# KiCad board Bestellung Rev.1.kicad_pcb (continued)
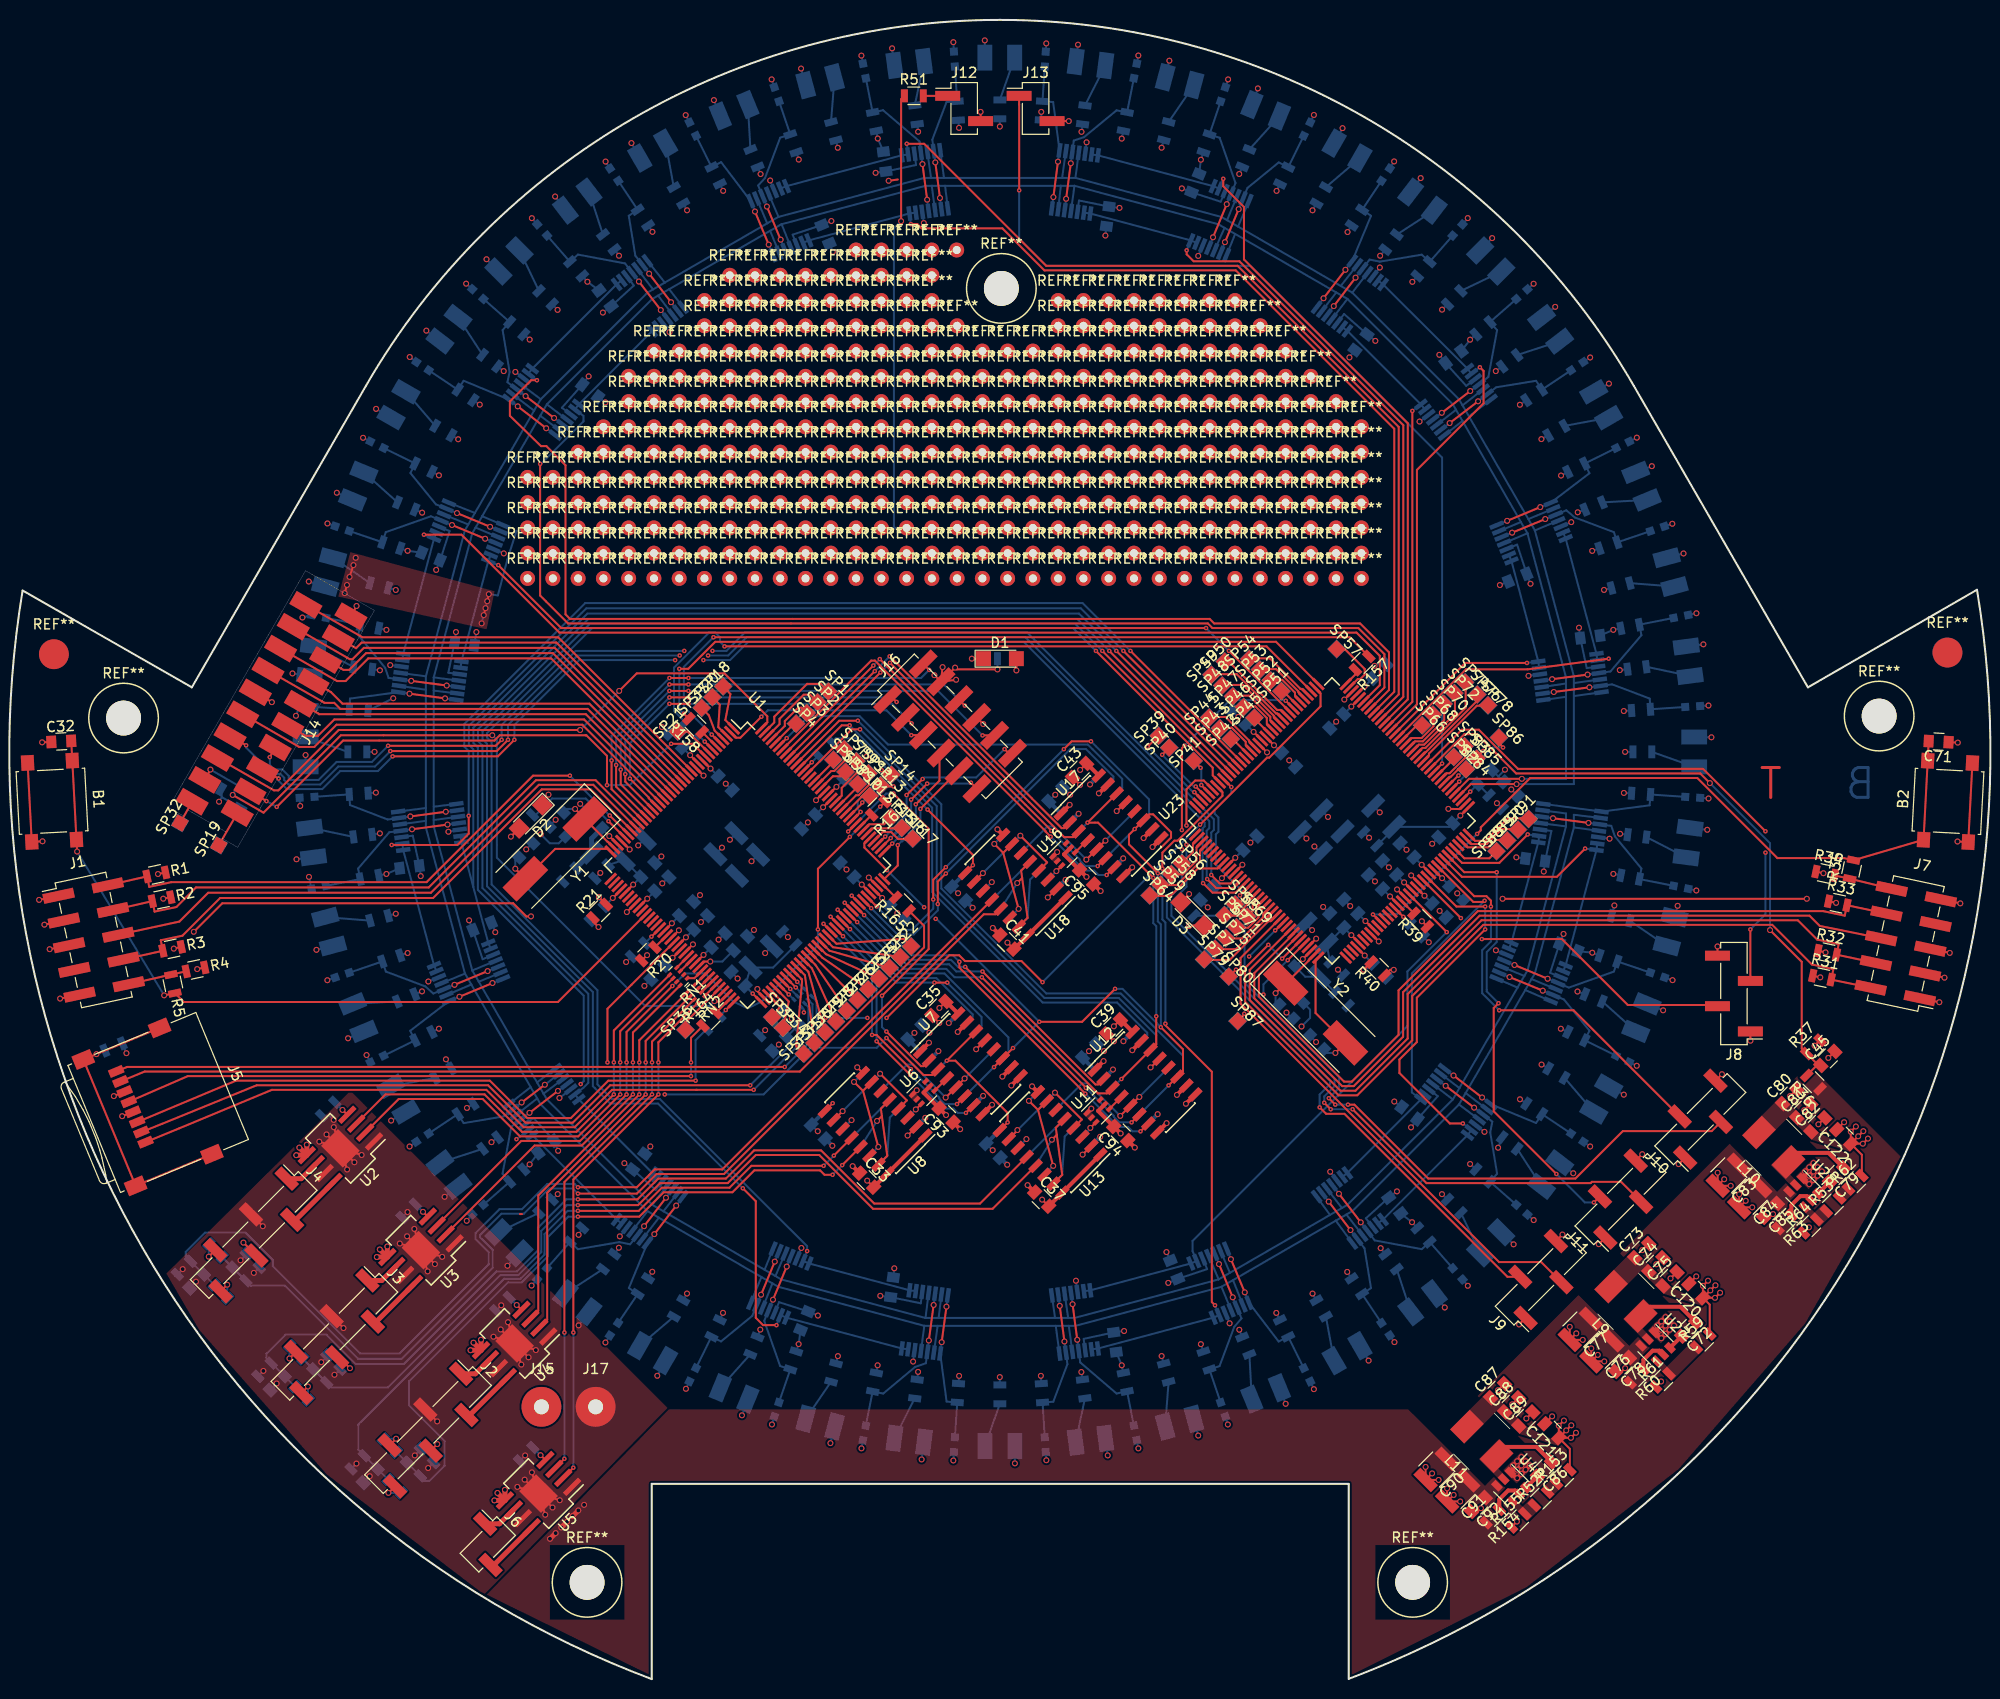
[diagram p0: board, top side]
## Routing (per net, layer and track width the routed paths; a pad name or vN(x,y) marks a point on that pad's centre or on a via; arc(x,y) is an arc through that point) (continued)
Net-(D47-Pad2): length 4.5
  Bottom w0.2: D47.2 R146.2
Net-(D48-Pad2): length 4.5
  Bottom w0.2: D48.2 R111.2
Net-(D49-Pad2): length 4.5
  Bottom w0.2: D49.2 R147.2
Net-(D50-Pad2): length 4.5
  Bottom w0.2: D50.2 R112.2
Net-(D51-Pad2): length 4.5
  Bottom w0.2: D51.2 R148.2
Net-(D52-Pad2): length 4.5
  Bottom w0.2: D52.2 R117.2
Net-(D53-Pad2): length 4.5
  Bottom w0.2: D53.2 R149.2
Net-(D54-Pad2): length 4.5
  Bottom w0.2: D54.2 R118.2
Net-(D55-Pad2): length 4.5
  Bottom w0.2: D55.2 R150.2
Net-(D56-Pad2): length 4.5
  Bottom w0.2: D56.2 R123.2
Net-(D57-Pad2): length 4.5
  Bottom w0.2: D57.2 R151.2
Net-(D58-Pad2): length 4.5
  Bottom w0.2: D58.2 R124.2
Net-(D59-Pad2): length 4.5
  Bottom w0.2: D59.2 R152.2
Net-(J1-Pad10): length 5.9
  Top w0.2: R4.2 R5.1 J1.10
Net-(J2-Pad1): length 3.5
  Top w0.5: J2.1 46.84,30.7 U4.6
Net-(J2-Pad2): length 5.7
  Top w0.5: J2.2 46.3,26.56 U4.8
Net-(J2-Pad5): length 2.2
  Top w0.2: v1(38.88,24.17) 38.88,24.17 J2.5
  Bottom w0.2: v1(38.88,24.17) 37.59,24.17 R7.1
Net-(J2-Pad6): length 2.2
  Top w0.2: v1(38.11,18.72) 38.11,18.72 J2.6
  Bottom w0.2: v1(38.11,18.72) 39.4,18.72 R9.1
Net-(J3-Pad1): length 3.5
  Top w0.5: J3.1 37.44,40.08 U3.6
Net-(J3-Pad2): length 5.7
  Top w0.5: J3.2 36.89,35.94 U3.8
Net-(J3-Pad5): length 2.2
  Top w0.2: v1(28.16,32.24) 28.16,32.24 J3.5
  Bottom w0.2: v1(28.16,32.24) 28.16,33.52 R11.1
Net-(J3-Pad6): length 2.3
  Top w0.2: v1(30.02,29.42) 30.01,29.42 J3.6
  Bottom w0.2: v1(30.02,29.42) 30.02,28.1 R13.1
Net-(J4-Pad1): length 3.5
  Top w0.5: J4.1 29.34,50.32 U2.6
Net-(J4-Pad2): length 5.8
  Top w0.5: J4.2 28.79,46.18 U2.8
Net-(J4-Pad5): length 2.2
  Top w0.2: v1(20.04,42.48) 20.04,42.48 J4.5
  Bottom w0.2: v1(20.04,42.48) 20.04,43.76 R15.1
Net-(J4-Pad6): length 2.3
  Top w0.2: v1(21.9,39.65) 21.9,39.65 J4.6
  Bottom w0.2: v1(21.9,39.65) 21.9,38.33 R17.1
Net-(J5-Pad1): length 77.1
  Top w0.2: J5.1 17.08,55.38 26.39,59.25 47.95,59.25 51.71,55.49 56.83,55.49 60.59,59.25 69.05,59.25 ; 69.05,59.25 v2(74.83,59.25) ; 69.05,59.25 69.14,59.25
  Bottom w0.2: RN3.6 80.74,67.87 80.74,65.16 v2(74.83,59.25)
Net-(J5-Pad2): length 76.1
  Top w0.2: J5.2 15.37,55.84 24.86,59.71 48.13,59.71 51.89,55.95 56.64,55.95 60.4,59.71 v2(74.48,59.71)
  Bottom w0.2: RN3.7 79.95,67.95 80.34,67.56 80.34,65.57 v2(74.48,59.71)
Net-(J5-Pad3): length 65.7
  Top w0.2: J5.3 13.55,56.3 22.78,60.17 48.31,60.17 52.07,56.41 56.45,56.41 60.21,60.17 v2(68.99,60.17)
  Bottom w0.2: v2(68.99,60.17) 68.99,64.24 70.08,65.33 R163.1
Net-(J5-Pad5): length 62.6
  Top w0.2: J5.5 17.94,60.63 v2(68.53,60.63) ; v2(68.53,62.01) 68.53,64.49 69.73,65.68 R164.1
  Bottom w0.2: v2(68.53,62.01) v2(68.53,60.63)
Net-(J5-Pad7): length 90.5
  Top w0.2: J5.7 13.6,61.09 79.47,61.09 91.96,73.58 91.96,75.74 R165.1
Net-(J5-Pad8): length 75.9
  Top w0.2: J5.8 11.84,61.55 v2(77.95,61.55)
  Bottom w0.2: v2(77.95,61.55) 81.15,64.75 81.15,68.17 RN3.5 80.66,68.66
Net-(J5-Pad9): length 31.3
  Top w0.2: J5.9 v1(8.76,62.84) J5.9 J5.9 J5.9
  Bottom w0.2: R19.1 v1(8.76,62.84)
Net-(J6-Pad1): length 3.5
  Top w0.5: J6.1 49.27,15.62 U5.6
Net-(J6-Pad2): length 5.7
  Top w0.5: J6.2 48.72,11.48 U5.8
Net-(J7-Pad10): length 5.9
  Top w0.2: J7.10 R35.1 R34.2
Net-(J12-Pad1): length 2.5
  Top w0.2: J12.1 R51.2
Net-(J14-Pad19): length 3.7
  Top w0.2: J14.19 SP19.1
Net-(J14-Pad20): length 2.5
  Top w0.2: J14.20 SP32.1
Net-(R18-Pad1): length 2.1
  Top w0.2: v2(64.55,74.65) U1.51
  Bottom w0.2: v2(64.55,74.65) R18.1
Net-(R20-Pad1): length 1.7
  Top w0.2: U1.53 R20.1
Net-(R22-Pad1): length 1.8
  Top w0.2: v1(33.49,57.23) U2.4
  Bottom w0.2: R22.1 v1(33.49,57.23)
Net-(R23-Pad1): length 1.8
  Top w0.2: v1(41.59,46.98) 41.59,46.98 U3.4
  Bottom w0.2: R23.1 v1(41.59,46.98)
Net-(R24-Pad1): length 1.8
  Top w0.2: v1(51.01,37.62) 51.01,37.61 U4.4
  Bottom w0.2: R24.1 v1(51.01,37.62)
Net-(R28-Pad1): length 1.8
  Top w0.2: v1(53.4,22.51) 53.41,22.51 U5.4
  Bottom w0.2: R28.1 v1(53.4,22.51)
Net-(R38-Pad1): length 2.1
  Top w0.2: U23.51 v2(140.15,76.64)
  Bottom w0.2: v2(140.15,76.64) R38.1
Net-(R39-Pad1): length 1.7
  Top w0.2: R39.1 U23.53
Net-(R53-Pad1): length 0.1
  Top w0.2: 181.83,46.22 R64.2
Net-(R54-Pad1): length 2.1
  Top w0.2: v2(80.68,92.19) U1.132
  Bottom w0.2: v2(80.68,92.19) R54.1
Net-(R60-Pad1): length 3.5
  Top w0.4: R60.1 164.29,32.1 165.21,33.02 165.9,33.02 U27.5
Net-(R63-Pad1): length 3.6
  Top w0.4: R63.1 179.16,47.66 180.06,48.56 180.72,48.56 U28.5
Net-(R154-Pad1): length 3.5
  Top w0.4: R154.1 149.79,18.07 150.68,18.96 151.38,18.96 U48.5
Net-(R157-Pad1): length 80
  Top w0.2: U1.5 v2(70.61,94.97) ; v2(70.79,104.76) 70.79,104.75 134.74,104.75 136.67,102.83 R157.1
  Bottom w0.2: v2(70.61,94.97) 67.81,97.77 67.81,101.78 v2(70.79,104.76)
Net-(R158-Pad1): length 2
  Top w0.2: U1.6 R158.1
Net-(R159-Pad1): length 2
  Top w0.2: v2(69.91,94.26) U1.7
  Bottom w0.2: R159.1 v2(69.91,94.26)
Net-(R163-Pad2): length 2
  Top w0.2: v2(72.03,67.28) U1.72
  Bottom w0.2: R163.2 v2(72.03,67.28)
Net-(R164-Pad2): length 2
  Top w0.2: R164.2 U1.71
Net-(R165-Pad2): length 2.1
  Top w0.2: U1.107 R165.2
Net-(R167-Pad1): length 73.6
  Top w0.2: v2(62.05,58.79) 57.37,54.11 51.46,54.11 42.97,45.61 U3.3 ; v2(66.66,69.69) 62.05,65.08 v2(62.05,62.01) ; v2(87.55,87.72) 88.04,88.2 R167.1 ; v2(84.5,84.68) 81.29,81.47 v2(81.29,75.38)
  Bottom w0.2: v2(66.66,69.69) 67.92,70.95 69.95,70.95 72.77,68.13 74.21,67.44 75.64,68.13 81.29,73.78 v2(81.29,75.38) ; v2(87.55,87.72) 84.51,84.68 v2(84.5,84.68) ; v2(62.05,62.01) v2(62.05,58.79)
Net-(RN1-Pad5): length 44.6
  Top w0.2: v2(60.77,58.79) 57.01,55.03 51.53,55.03 47.77,58.79 37.81,58.79 34.87,55.85 U2.3 ; RN1.5 60.77,65.21 v2(60.77,62.01)
  Bottom w0.2: v2(60.77,62.01) v2(60.77,58.79)
Net-(RN1-Pad6): length 44.2
  Top w0.2: v2(61.41,58.79) 57.19,54.57 51.34,54.57 47.58,58.33 39.14,58.33 35.77,54.95 U2.2 ; RN1.6 61.41,65.14 v2(61.41,62.01)
  Bottom w0.2: v2(61.41,62.01) v2(61.41,58.79)
Net-(RN1-Pad8): length 37.6
  Top w0.2: v2(62.69,58.79) 57.55,53.65 52.8,53.65 43.86,44.71 U3.2 ; RN1.8 62.69,65.01 v2(62.69,62.01)
  Bottom w0.2: v2(62.69,62.01) v2(62.69,58.79)
Net-(RN2-Pad5): length 39.4
  Top w0.2: RN2.5 63.33,64.24 v2(63.33,62.01) ; v2(63.33,58.79) 53.17,48.63 53.17,37.03 52.38,36.24 U4.3
  Bottom w0.2: v2(63.33,62.01) v2(63.33,58.79)
Net-(RN2-Pad6): length 39.7
  Top w0.2: RN2.6 63.97,64.17 v2(63.97,62.01) ; U4.2 54.07,36.13 54.07,48.89 v2(63.97,58.79)
  Bottom w0.2: v2(63.97,62.01) v2(63.97,58.79)
Net-(RN2-Pad7): length 53
  Top w0.2: RN2.7 64.61,64.1 v2(64.61,62.01) ; v2(55.8,22.15) 54.79,21.14 U5.3 ; v2(64.61,58.79) 55.8,49.98 v2(55.8,34.85)
  Bottom w0.2: v2(55.8,22.15) v2(55.8,34.85) ; v2(64.61,62.01) v2(64.61,58.79)
Net-(RN2-Pad8): length 53.4
  Top w0.2: RN2.8 65.25,64.03 v2(65.25,62.01) ; v2(56.7,21.26) 55.69,20.24 U5.2 55.69,20.24 ; v2(65.25,58.79) 56.7,50.24 v2(56.7,34.85)
  Bottom w0.2: v2(56.7,21.26) v2(56.7,34.85) ; v2(65.25,62.01) v2(65.25,58.79)
Net-(RN3-Pad1): length 2.2
  Top w0.2: v2(78.36,68.84) U1.78
  Bottom w0.2: RN3.1 v2(78.36,68.84)
Net-(RN3-Pad2): length 2.2
  Top w0.2: v2(78.51,69.4) U1.79
  Bottom w0.2: RN3.2 v2(78.51,69.4)
Net-(RN3-Pad3): length 2.2
  Top w0.2: v2(79.06,69.55) U1.80
  Bottom w0.2: RN3.3 v2(79.06,69.55)
Net-(RN3-Pad4): length 2.2
  Top w0.2: v2(79.21,70.1) U1.81
  Bottom w0.2: RN3.4 v2(79.21,70.1)
Net-(RN4-Pad1): length 4.7
  Top w0.2: v2(89.32,83.86) 89.32,81.81 U1.108
  Bottom w0.2: v2(89.32,83.86) RN4.1
Net-(RN4-Pad2): length 2.2
  Top w0.2: v2(88.76,84.01) U1.109
  Bottom w0.2: RN4.2 v2(88.76,84.01)
Net-(RN4-Pad3): length 2.2
  Top w0.2: v2(88.61,84.56) U1.110
  Bottom w0.2: RN4.3 v2(88.61,84.56)
Net-(RN4-Pad4): length 2.2
  Top w0.2: v2(88.05,84.71) U1.111
  Bottom w0.2: RN4.4 v2(88.05,84.71)
Net-(SP1-Pad1): length 9.1
  Top w0.2: SP1.1 81.57,100.07 80.2,100.07 76.9,96.77 76.9,96.19 75.94,95.23 U1.143
Net-(SP2-Pad1): length 7.3
  Top w0.2: SP2.1 80.5,98.98 79.86,98.98 77.43,96.55 77.43,96.02 76.29,94.88 U1.142
Net-(SP3-Pad1): length 5.3
  Top w0.2: SP3.1 79.65,97.67 79.3,97.67 77.96,96.33 77.96,95.84 76.65,94.52 U1.141
Net-(SP4-Pad1): length 2.9
  Top w0.2: U1.140 78.9,96.07 SP4.1
Net-(SP6-Pad1): length 3
  Top w0.2: SP6.1 82.85,92.24 80.89,90.28 U1.129
Net-(SP7-Pad1): length 4.9
  Top w0.2: SP7.1 83.98,93.47 83.98,92.35 82.94,91.31 82.63,91.31 81.25,89.92 U1.128
Net-(SP8-Pad1): length 3.2
  Top w0.2: SP8.1 83.63,90.78 82.8,90.78 81.6,89.57 U1.127
Net-(SP9-Pad1): length 5.1
  Top w0.2: U1.123 83.68,88.83 83.68,89.61 85.2,91.13 85.2,92.25 SP9.1
Net-(SP10-Pad1): length 3
  Top w0.2: SP10.1 85.29,89.73 83.37,87.8 U1.122
Net-(SP11-Pad1): length 4.9
  Top w0.2: SP11.1 86.42,91.03 86.42,89.91 85.38,88.87 85.13,88.87 83.72,87.45 U1.121
Net-(SP12-Pad1): length 3.1
  Top w0.2: SP12.1 85.75,88.78 84.07,87.1 U1.120
Net-(SP13-Pad1): length 7.1
  Top w0.2: v2(85.75,88.14) 85.75,88.07 84.43,86.74 U1.119 ; v2(88.89,89.76) 88.41,89.76 88.31,89.86 SP13.1
  Bottom w0.2: v2(85.75,88.14) 87.37,89.76 v2(88.89,89.76)
Net-(SP14-Pad1): length 7.6
  Top w0.2: v2(85.58,87.19) 84.78,86.39 U1.118 ; v2(87.71,91.39) 88.16,90.94 SP14.1
  Bottom w0.2: v2(85.58,87.19) 85.29,87.48 85.29,88.32 87.71,90.74 v2(87.71,91.39)
Net-(SP15-Pad1): length 3.4
  Top w0.2: SP15.1 87.93,85.95 86.45,85.95 85.84,85.33 U1.115
Net-(SP16-Pad1): length 3.8
  Top w0.2: SP16.1 89.68,85.54 86.76,85.54 86.19,84.97 U1.114
Net-(SP17-Pad1): length 4.6
  Top w0.2: SP17.1 90.76,84.46 89.36,84.46 88.65,85.17 87.8,85.17 86.9,84.27 U1.112
Net-(SP18-Pad1): length 4.9
  Top w0.2: U1.1 71.98,96.43 72.49,99.05 SP18.1
Net-(SP20-Pad1): length 4.5
  Top w0.2: U1.3 71.27,95.72 71.42,97.98 SP20.1
Net-(SP21-Pad1): length 4
  Top w0.2: U1.8 68.19,95.27 SP21.1
Net-(SP22-Pad1): length 9
  Top w0.2: U1.92 83.15,73.94 89.91,74.43 SP22.1
Net-(SP23-Pad1): length 8.1
  Top w0.2: U1.91 82.8,73.59 SP23.1
Net-(SP24-Pad1): length 7.5
  Top w0.2: U1.90 82.45,73.24 SP24.1
Net-(SP25-Pad1): length 7.1
  Top w0.2: U1.89 82.1,72.89 SP25.1
Net-(SP26-Pad1): length 6.8
  Top w0.2: U1.88 81.74,72.53 SP26.1
Net-(SP27-Pad1): length 6.7
  Top w0.2: U1.87 SP27.1
Net-(SP28-Pad1): length 6.8
  Top w0.2: U1.86 81.03,71.82 SP28.1
Net-(SP29-Pad1): length 7.1
  Top w0.2: SP29.1 80.68,71.47 U1.85 79.83,72.32
Net-(SP30-Pad1): length 7.5
  Top w0.2: U1.84 80.33,71.12 SP30.1
Net-(SP31-Pad1): length 8.1
  Top w0.2: SP31.1 79.98,70.77 U1.83 79.12,71.61
Net-(SP33-Pad1): length 9.1
  Top w0.2: U1.82 79.62,70.41 79.63,70.39 79.65,70.37 79.66,70.35 79.69,70.13 79.11,63.63 SP33.1
Net-(SP34-Pad1): length 4.6
  Top w0.2: U1.77 78.36,68.13 SP34.1
Net-(SP35-Pad1): length 3.4
  Top w0.2: U1.76 77.79,68.03 SP35.1
Net-(SP36-Pad1): length 5.6
  Top w0.2: SP36.1 67.97,66.03 71.41,69.47 U1.68 71.41,69.49
Net-(SP37-Pad1): length 3.9
  Top w0.2: U1.4 70.91,95.36 70.33,96.89 SP37.1
Net-(SP39-Pad1): length 9.3
  Top w0.2: v2(119.13,89.18) 119.93,88.38 U23.142 ; SP39.1 v2(114.44,93.75)
  Bottom w0.2: v2(114.44,93.75) 119.01,89.18 v2(119.13,89.18)
Net-(SP40-Pad1): length 7.1
  Top w0.2: v2(119.27,89.75) 120.28,88.74 U23.141 ; SP40.1 v2(115.9,92.94)
  Bottom w0.2: v2(115.9,92.94) 115.9,92.93 119.08,89.75 v2(119.27,89.75)
Net-(SP41-Pad1): length 3.9
  Top w0.2: v2(119.83,89.89) 120.63,89.09 U23.140 ; v2(119.76,91.63) SP41.1
  Bottom w0.2: v2(119.76,91.63) 119.83,91.56 v2(119.83,89.89)
Net-(SP42-Pad1): length 2.4
  Top w0.2: SP42.1 122.97,94.53 124.52,92.98 U23.129
Net-(SP43-Pad1): length 4.3
  Top w0.2: SP43.1 121.76,95.66 122.88,95.66 124.3,94.24 124.3,93.91 124.88,93.33 U23.128
Net-(SP44-Pad1): length 5.9
  Top w0.2: SP44.1 120.68,96.74 122.27,96.74 124.65,94.36 124.65,94.26 125.23,93.68 U23.127
Net-(SP45-Pad1): length 2.2
  Top w0.2: SP45.1 125.17,96.57 126.64,95.1 U23.123
Net-(SP46-Pad1): length 4.3
  Top w0.2: U23.122 126.42,96.03 126.42,96.64 125.26,97.8 124.14,97.8 SP46.1
Net-(SP47-Pad1): length 5.8
  Top w0.2: SP47.1 123.06,98.88 124.64,98.88 126.77,96.75 126.77,96.39 127.35,95.81 U23.121
Net-(SP48-Pad1): length 7.4
  Top w0.2: SP48.1 121.98,99.96 124.02,99.96 127.12,96.86 127.12,96.74 127.7,96.16 U23.120
Net-(SP49-Pad1): length 9.1
  Top w0.2: U23.119 127.48,97.09 127.35,97.09 123.4,101.04 120.9,101.04 SP49.1
Net-(SP50-Pad1): length 8.5
  Top w0.2: SP50.1 122.43,102.07 122.83,102.07 127.45,97.45 127.83,97.45 128.41,96.87 U23.118
Net-(SP51-Pad1): length 2.2
  Top w0.2: SP51.1 128.06,99.34 129.47,97.93 U23.115
Net-(SP52-Pad1): length 4.1
  Top w0.2: SP52.1 126.85,100.47 127.97,100.47 129.25,99.19 129.25,98.86 129.83,98.28 U23.114
Net-(SP53-Pad1): length 5.7
  Top w0.2: SP53.1 125.77,101.55 127.35,101.55 129.6,99.3 129.6,99.22 130.18,98.64 U23.113
Net-(SP54-Pad1): length 7.4
  Top w0.2: U23.112 129.96,99.56 129.8,99.56 126.73,102.63 124.69,102.63 SP54.1
Net-(SP56-Pad1): length 3.2
  Top w0.2: U23.2 118.99,83.98 118.99,83.15 SP56.1
Net-(SP57-Pad1): length 6.3
  Top w0.2: U23.107 135.56,100.55 135.81,100.55 136.26,101 136.26,101.56 134.25,103.57 SP57.1
Net-(SP58-Pad1): length 5.3
  Top w0.2: SP58.1 116.85,80.91 117.97,80.91 119.35,82.29 119.35,83.63 119.93,84.2 U23.3
Net-(SP59-Pad1): length 6.9
  Top w0.2: SP59.1 115.77,79.83 117.35,79.83 119.7,82.18 119.7,83.27 120.28,83.85 U23.4
Net-(SP64-Pad1): length 8.8
  Top w0.2: U23.9 121.47,81.51 119.49,81.51 116.73,78.75 114.69,78.75 SP64.1
Net-(SP65-Pad1): length 2.2
  Top w0.2: SP65.1 123.52,77.9 124.88,79.25 U23.17
Net-(SP66-Pad1): length 2.7
  Top w0.2: SP66.1 141.51,95.9 140.01,94.4 U23.92
Net-(SP67-Pad1): length 4.1
  Top w0.2: SP67.1 122.2,76.77 123.32,76.77 124.65,78.1 124.65,78.32 125.23,78.9 U23.18
Net-(SP68-Pad1): length 4.7
  Top w0.2: SP68.1 143.17,96.93 143.17,95.81 141.98,94.62 140.94,94.62 140.36,94.04 U23.91
Net-(SP69-Pad1): length 2.3
  Top w0.2: SP69.1 125,77.23 125,77.97 125.58,78.55 U23.19
Net-(SP70-Pad1): length 6.3
  Top w0.2: SP70.1 144.25,98.01 144.25,96.43 142.11,94.29 141.32,94.29 140.72,93.68 U23.90
Net-(SP71-Pad1): length 4.6
  Top w0.2: SP71.1 123.42,75.55 124.54,75.55 125.58,76.59 125.58,76.77 125.36,76.99 125.36,77.62 125.94,78.19 U23.20
Net-(SP72-Pad1): length 7.9
  Top w0.2: SP72.1 145.33,99.09 145.33,97.05 142.24,93.96 141.7,93.96 141.07,93.33 U23.89
Net-(SP74-Pad1): length 9.5
  Top w0.2: SP74.1 146.41,100.17 146.41,97.67 142.37,93.63 142.07,93.63 141.42,92.98 U23.88
Net-(SP75-Pad1): length 5.8
  Top w0.2: SP75.1 122.34,74.47 123.92,74.47 126.06,76.61 126.06,76.91 126.64,77.49 U23.22
Net-(SP76-Pad1): length 8.8
  Top w0.2: SP76.1 147.58,98.38 142.41,93.21 142.36,93.21 141.78,92.62 U23.87
Net-(SP77-Pad1): length 7.4
  Top w0.2: U23.23 126.42,76.56 126.42,76.51 123.3,73.39 121.26,73.39 SP77.1
Net-(SP78-Pad1): length 9
  Top w0.2: U23.86 142.72,92.85 142.72,93.05 147.53,97.87 148.61,97.87 SP78.1
Net-(SP79-Pad1): length 9.1
  Top w0.2: SP79.1 120.18,72.31 122.68,72.31 126.58,76.2 126.78,76.2 127.35,76.78 U23.24
Net-(SP80-Pad1): length 7.7
  Top w0.2: v2(127.26,75.28) 128.06,76.07 U23.26 ; v2(123.32,71.34) 122.62,70.64 SP80.1
  In2.Cu w0.2: v2(124.64,72.66) v2(123.32,71.34)
  Bottom w0.2: v2(124.64,72.66) v2(127.26,75.28)
Net-(SP82-Pad1): length 2.6
  Top w0.2: SP82.1 145.22,92.53 143.55,90.85 U23.82
Net-(SP83-Pad1): length 4.5
  Top w0.2: SP83.1 146.35,93.75 146.35,92.63 144.8,91.08 144.48,91.08 143.9,90.5 U23.81
Net-(SP84-Pad1): length 2.8
  Top w0.2: SP84.1 145.69,91.5 144.92,90.73 144.83,90.73 144.25,90.15 U23.80
Net-(SP85-Pad1): length 6
  Top w0.2: U23.79 145.66,90.85 v2(145.69,90.85) ; v2(148.17,93.33) 147.52,92.68 SP85.1
  Bottom w0.2: v2(145.69,90.85) v2(148.17,93.33)
Net-(SP86-Pad1): length 8.2
  Top w0.2: v2(145.76,90.24) 144.96,89.44 U23.78 ; v2(150.17,93.67) 149.75,94.09 SP86.1
  Bottom w0.2: v2(150.17,93.67) 149.15,93.67 145.76,90.28 v2(145.76,90.24)
Net-(SP87-Pad1): length 10.6
  Top w0.2: v2(128.52,72.29) 130.18,73.95 U23.32 ; SP87.1 124.15,66.82 v2(124.15,66.9)
  In2.Cu w0.2: v2(124.15,66.9) v2(126.08,68.83)
  Bottom w0.2: v2(128.52,72.29) 126.08,69.85 v2(126.08,68.83)
Net-(SP88-Pad1): length 4.9
  Top w0.2: SP88.1 148.79,82.53 146.28,82.53 145.31,83.5 U23.68
Net-(SP89-Pad1): length 5.1
  Top w0.2: SP89.1 150.54,84.38 149.42,84.38 148.67,83.63 146.6,83.63 146.02,84.21 U23.70
Net-(SP90-Pad1): length 6.2
  Top w0.2: SP90.1 151.62,85.46 150.03,85.46 148.53,83.96 146.97,83.96 146.37,84.56 U23.71
Net-(SP91-Pad1): length 7.2
  Top w0.2: SP91.1 152.7,86.54 150.64,86.54 148.39,84.29 147.35,84.29 146.73,84.91 U23.72
Net-(U6-Pad3): length 2
  Top w0.2: v1(91.13,57.28) U6.3
  Bottom w0.2: U9.6 v1(91.13,57.28)
Net-(U6-Pad4): length 1.7
  Top w0.2: U7.4 U6.4
Net-(U10-Pad4): length 2.5
  Top w0.2: v1(97.2,63.33) 97.2,63.34 U7.13
  Bottom w0.2: v1(97.2,63.33) 97.2,63.34 U7.13
Net-(U11-Pad3): length 2
  Top w0.2: U11.3 v1(108.68,55.42)
  Bottom w0.2: v1(108.68,55.42) 108.68,55.34 U14.6
Net-(U11-Pad4): length 1.7
  Top w0.2: U11.4 U12.4
Net-(U12-Pad13): length 2.5
  Top w0.2: v1(114.74,61.5) 114.76,61.5 U12.13
  Bottom w0.2: v1(114.74,61.5) 114.76,61.5 U12.13
Net-(U16-Pad3): length 2
  Top w0.2: U16.3 v1(105.26,81.24)
  Bottom w0.2: v1(105.26,81.24) U19.6
Net-(U16-Pad4): length 1.7
  Top w0.2: U17.4 108.35,84.33 U16.4
Net-(U17-Pad13): length 2.5
  Top w0.2: v1(111.33,87.27) 111.35,87.27 U17.13
  Bottom w0.2: v1(111.33,87.27) 111.35,87.27 U17.13
Net-(U23-Pad5): length 0
  Top w0.2: U23.5 120.63,83.5
Net-(U23-Pad143): length 0

## Copper pours and planes (outline as drawn; the poured copper is in the pictures)
+3V3 on Top: 170.17,37.54 166.33,38.73 164.03,41.04 160.75,37.76 159.33,39.19 163.32,43.17 167.05,39.45 169.47,38.24 170.36,39.14 171.06,38.43
+3V3 on In1.Cu: 138.53,113.33 140.23,107.18 140.1,104.59 152.23,104.58 153.02,89.02 150.19,75.29 144.82,64.59 173.28,39.08 170.5,36.28 142.82,60.25 107.27,40.77 92.63,41.21 74.25,45.18 62.96,55.63 57.43,60.72 50.33,74.24 47.2,84.3 46.31,96.37 47.66,104.7 47.71,104.7 50.98,112.13 50.98,114.33 136.98,114.33
+3V3 on In1.Cu: -1.93,84.82 -0.57,72.6 5.3,53.44 22.2,59.68 20.45,70.8 20.06,72.58 16.12,82.13 7.11,95.28 -2.12,95.13 -1.85,89.02
+3V3 on In1.Cu: 197.44,65.5 178.02,69.58 180.97,82.26 191.93,95.31 201.7,95.07 201.77,84.94
+5V on Top: 175.62,53.26 178.89,56.53 181.21,54.22 185.04,53.03 185.93,53.92 185.22,54.63 184.33,53.74 181.92,54.94 178.19,58.67 174.2,54.68
+5V on In1.Cu: -7.37,-3.22 -7.52,173.68 205.98,172.63 206.38,-2.22
+5VD on Top: 148.82,29.09 152.56,25.36 152.56,25.36 154.98,24.17 155.87,25.06 156.57,24.35 155.68,23.46 151.84,24.64 149.53,26.96 146.26,23.68 144.84,25.1
+5VD on Top: 34.28,113.31 48.78,109.38 47.98,105.56 33.07,108.84
+5VD on Bottom: 150.57,36.42 167.94,53.86 173.65,64.49 173.65,65.75 176.42,65.75 176.42,64.49 169.9,51.9 153.95,35.84 158,24.65 156.96,23.65 155.31,25.37 152.54,34.45
+5VD on Bottom: 46.82,105.81 47.82,109.64 48.78,109.38 51.03,116.83 136.98,116.83 136.98,114.68 51.03,114.68 48.64,105.41 47.98,105.56
+5VD on In1.Cu: 156.43,26.71 158.23,24.83 157.4,24.06 157.37,19.42 151.34,14.56 134.04,19.41 64.78,19.4 65.05,-0.33 56.48,1.5 41.43,10.38 29.51,20.93 18.59,32.89 14.22,40.32 5.29,53.45 -2.81,83.8 -2.42,112.35 18.32,101.14 26.6,115.37 35.53,112.98 35.28,107.24 29.07,109.69 28.65,106.99 27.94,99.03 26.19,85.58 33.79,59.77 27.87,54 50.53,28.81 64.59,21.39 134.65,21.39 150.9,18.15 155.27,25.5
+5VD on In1.Cu: 47.82,109.64 48.78,109.38 88.36,109.45 96.36,100.97 93.35,97.98 85.86,105.55 47.98,105.56 46.82,105.81
+12V on Top: 180.91,61.79 177.08,57.95 181.86,53.16 177.72,49 172.95,53.82 161.93,42.8 166.99,37.69 162.85,33.51 157.75,38.61 147.61,28.46 152.49,23.61 148.35,19.44 140.64,27.11 66.31,27.13 43.91,4.34 50.44,3.27 65.25,-0.73 134.6,-0.74 166.7,12.17 192.32,49.82 190.47,52.23
+12V on In1.Cu: 33.8,58.66 38.58,53.88 41.9,48.42 46.67,43.65 51.32,39.04 56.09,34.27 58.5,19.17 57.65,18.33 58.47,17.5 54.35,13.4 53.54,14.21 52.68,13.36 47.91,18.14 50.28,28.47 45.51,33.24 40.87,37.84 36.09,42.61 32.77,48.08 27.99,52.85
/Motor Controller/VDDOUT on Bottom: 64.09,79.32 64.98,78.43 70.64,72.78 84.85,79.85 85.73,80.74 81.84,86.81 80.95,87.7 71.35,91.59 70.46,90.7 61.96,87.42 55.42,80.91 54.92,80.41 55.84,79.49 56.37,78.94 60.32,78.39
/Sensor Controller/VDDOUT on Bottom: 123.21,83.43 124.1,82.55 127.02,74.5 133.89,67.51 134.39,67.01 135.32,67.93 136.31,68.85 135.96,74.68 135.48,76.18 142.03,82.73 134.96,96.93 134.07,97.82 127.99,93.93 127.1,93.04
GND on Top: 180.89,49.27 182.67,51.04 181.38,52.33 179.6,50.55
GND on Top: 151.53,19.67 153.34,21.47 151.99,22.82 150.19,21.01
GND on Top: 164.71,35.07 166.02,33.76 167.82,35.56 166.51,36.87
GND on Top: 91.14,57.92 91.63,58.42 90.89,59.16 90.39,58.66
GND on Top: 109.22,56.55 108.72,56.06 107.94,56.84 108.44,57.33
GND on Top: 105.73,82.34 105.26,81.87 104.52,82.62 104.99,83.08
GND on Top: 34.29,59.15 66.31,27.13 43.91,4.34 17.94,19.5 13.65,38.66
GND on Bottom: 34.29,59.15 66.31,27.13 43.91,4.34 17.94,19.5 13.65,38.66
GND on In2.Cu: -7.37,-3.22 -7.52,173.68 205.98,172.63 206.38,-2.22
Net-(C72-Pad1) on Top: 164.89,33.55 165.38,34.04 164.18,35.25 165.74,36.8 164.29,38.25 162.24,36.2
Net-(C79-Pad1) on Top: 180.23,49.51 179.03,50.72 180.59,52.27 179.14,53.72 177.09,51.67 179.74,49.02
Net-(C86-Pad1) on Top: 150.37,19.49 150.86,19.99 149.69,21.16 151.25,22.71 149.8,24.16 147.75,22.11
Net-(R53-Pad1) on Top: 183.37,46.84 181.98,45.45 179.84,47.58 180.33,48.07 181.49,46.91 182.4,47.82
Net-(R53-Pad2) on Top: 184.69,50 185.61,49.08 184.22,47.69 183.3,48.61
Net-(R59-Pad1) on Top: 165.47,32.59 166.64,31.43 169.34,34.12 170.31,33.15 167.12,29.96 164.98,32.1
Net-(R153-Pad1) on Top: 155.33,20.41 156.25,19.49 154.86,18.11 153.94,19.03
Net-(R155-Pad2) on Top: 154.01,17.26 152.63,15.87 150.49,18.02 150.97,18.5 152.13,17.33 153.04,18.24

## Text on the board
Bottom: B
Cmts.User: + | - | PWR | +5V | GND | +3.3V | Motor 1 | Motor 2 | Motor 3 | Motor 4 | Ball IN | Dist IN 4 | Dist IN 3 | Dist IN 2 | UI OUT | Dist IN 1 | 1 | BAT | Soccer 2v2 2018 / Rev. 1 / Designed by Marc Spieler | Sensor | Motor
Top: T
In1.Cu: 1
In2.Cu: 2
